# Altium PCB Control Panel PCB v2.PcbDoc (part 1 of 3)
Units mm, origin at the board's own origin, x right, y up, seen from the top; angles counter-clockwise.
Board outline 270.04 x 103.81 mm, 2 copper layers (Top Layer, Bottom Layer); 322 components, 214 nets, 925 pads, 431 vias.
Unrouted connection lines stored in the file: 76.
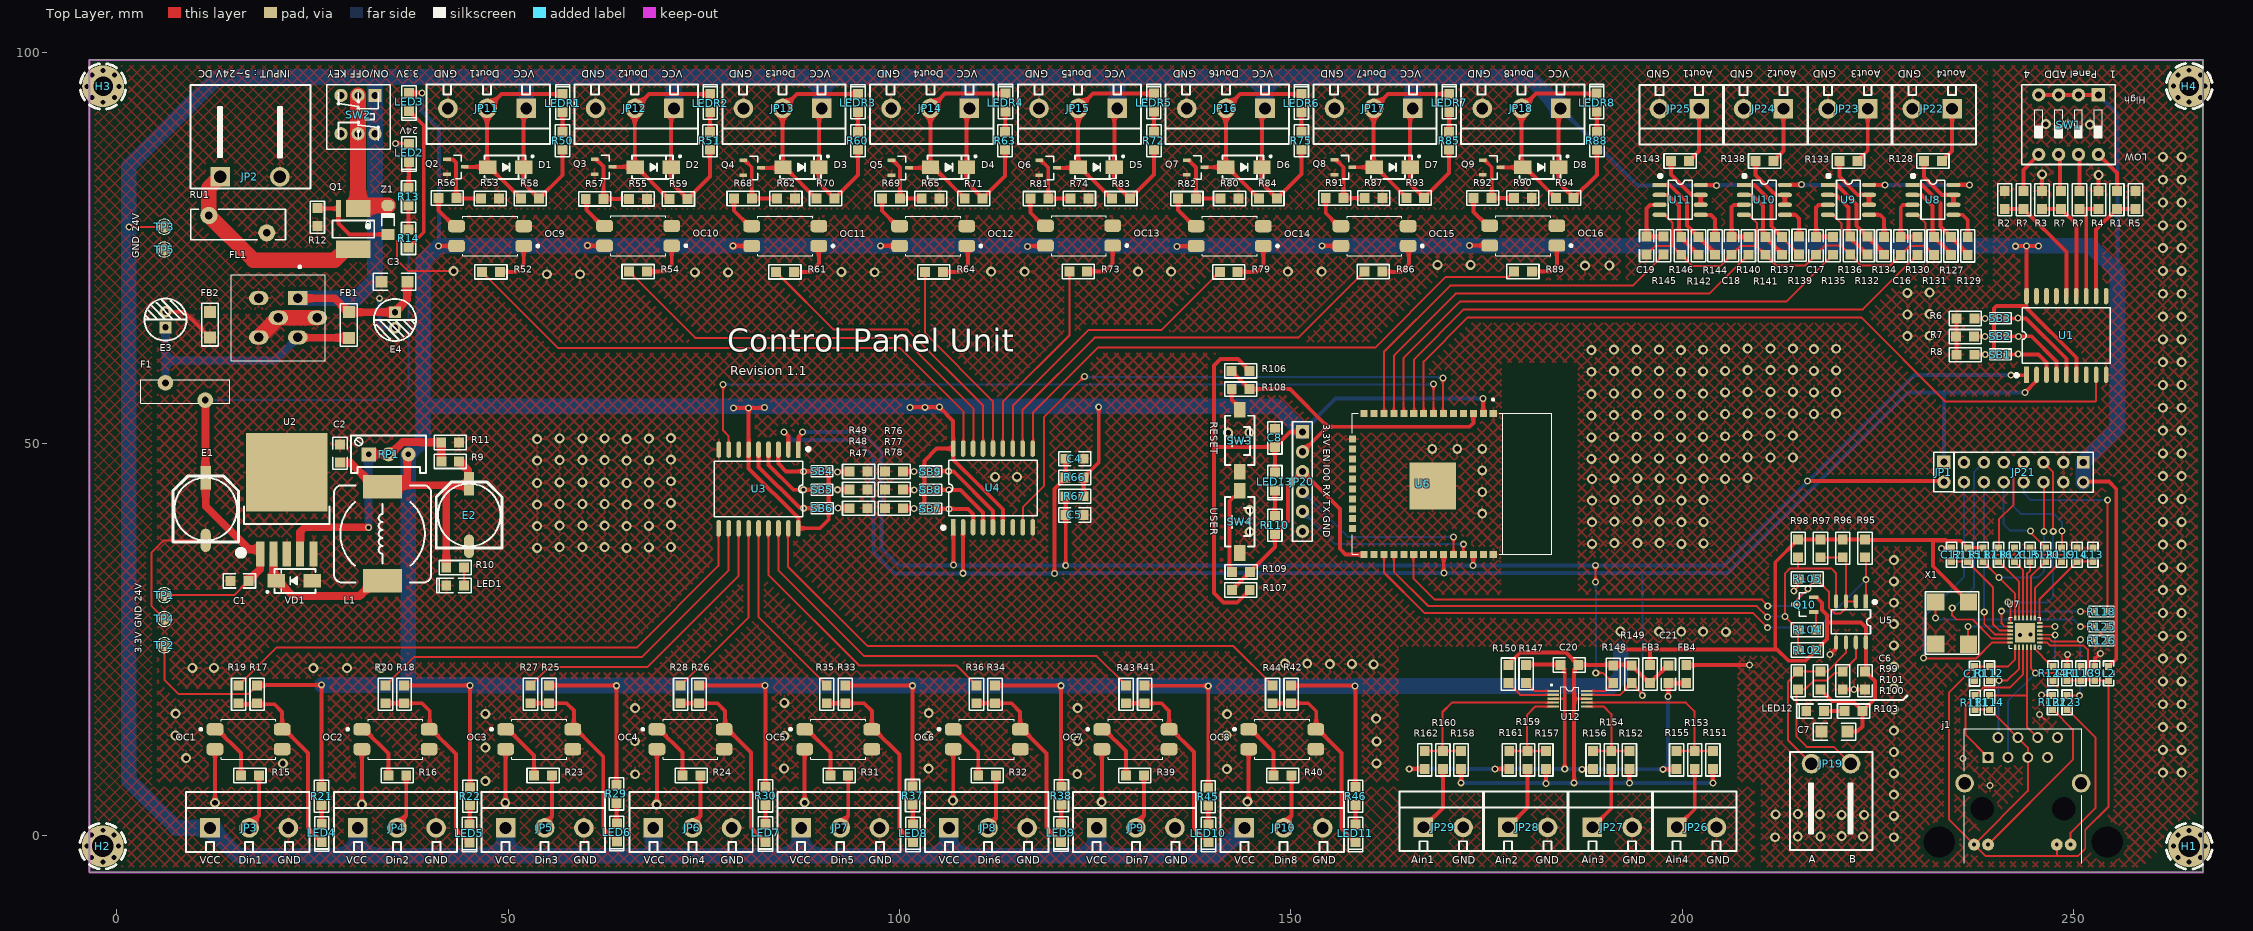
[diagram p0: Top Layer view]
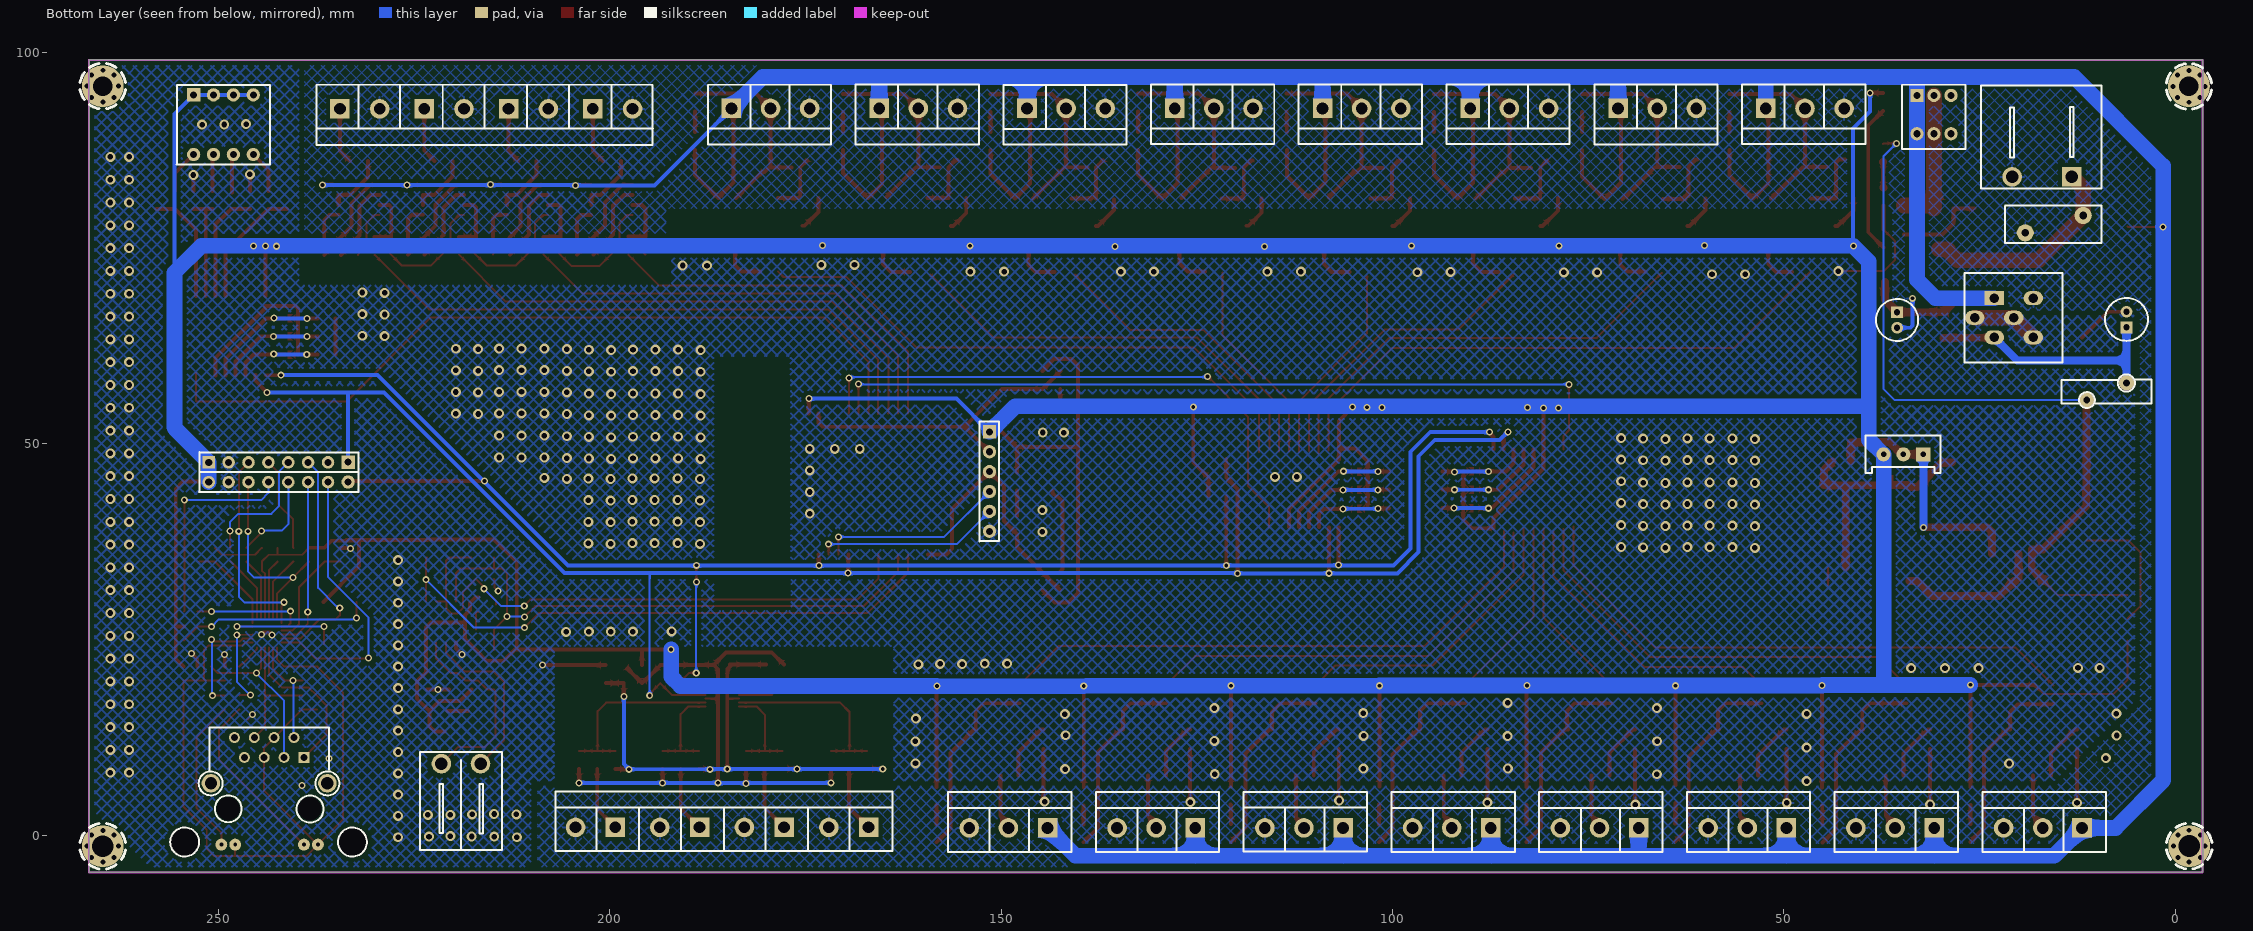
[diagram p1: Bottom Layer view, seen from below]

## Layer stack, top to bottom
Top Solder: solder mask 0.0102, Solder Resist, Dk 3.5
Top Layer: signal copper 0.0356
Dielectric 1: dielectric 0.32, FR-4, Dk 4.8
Bottom Layer: signal copper 0.0356
Bottom Solder: solder mask 0.0102, Solder Resist, Dk 3.5

## Board outline
-3.515,-4.776 -3.515,99.034 -3.505,99.035 266.522,99.035 266.522,-4.775

## Design rules (kind name [scope] priority, off if disabled: settings)
Clearance OUT_POLY [InNamedPolygon('GND_BOTTOM') OR InNamedPolygon('GND_TOP')] p1: gap=0.5 ignorepadtopadclearanceinfootprint=FALSE
Clearance Logic_POLY [InNamedPolygon('GND_F_BOTTOM') OR InNamedPolygon('GND_F_TOP')] p2: gap=0.5 ignorepadtopadclearanceinfootprint=FALSE
Clearance [All] p3: gap=0.178 ignorepadtopadclearanceinfootprint=FALSE
ComponentClearance "Schematic Component Clearance Constraint_7" [InComponent('TP5')] p1: gap=0 collisioncheckmode=3 verticalgap=0 showdistances=FALSE
ComponentClearance "Schematic Component Clearance Constraint_6" [InComponent('TP3')] p2: gap=0 collisioncheckmode=3 verticalgap=0 showdistances=FALSE
ComponentClearance "Schematic Component Clearance Constraint_5" [InComponent('TP4')] p3: gap=0 collisioncheckmode=3 verticalgap=0 showdistances=FALSE
ComponentClearance "Schematic Component Clearance Constraint_4" [InComponent('TP2')] p4: gap=0 collisioncheckmode=3 verticalgap=0 showdistances=FALSE
ComponentClearance "Schematic Component Clearance Constraint_3" [InComponent('TP1')] p5: gap=0 collisioncheckmode=3 verticalgap=0 showdistances=FALSE
ComponentClearance [All] p6: gap=0 collisioncheckmode=3 verticalgap=0 showdistances=FALSE
HoleSize [All] p1: absolutevalues=TRUE maxlimit=4 minlimit=0.025 maxpercent=80.000 minpercent=20.000
PolygonConnect PolygonConnect_1 [All vs IsNamedPolygon('GND_F_BOTTOM')] p1: connectstyle=Direct reliefconductorwidth=0.254 reliefentries=4 polygonreliefangle="90 Angle" airgapwidth=0.254
PolygonConnect [All] p2: connectstyle=Relief reliefconductorwidth=0.254 reliefentries=4 polygonreliefangle="90 Angle" airgapwidth=0.254
RoutingVias [All] p1: holewidth=0.5 width=0.9 viastyle="Through Hole" minholewidth=0.5 minwidth=0.9 maxholewidth=1 maxwidth=1.5
SolderMaskExpansion [All] p1: expansion=0.102 istentingtop=FALSE
Width [All] p1: maxlimit=2 minlimit=0.254 preferedwidth=0.5
28 further rules are at their usual default settings.

## Classes and differential pairs
component class U_LAN: C9 C10 C11 C12 C13 C14 C15 j1 JP21 L2 R111 R112 R113 R114 R115 R116 R117 R118 R119 R120 R121 R122 R123 R124 R125 R126 U7 X1
component class "U_Analog Output": C16 C17 C18 C19 JP22 JP23 JP24 JP25 R127 R128 R129 R130 R131 R132 R133 R134 R135 R136 R137 R138 R139 R140 R141 R142 R143 R144 R145 R146 U8 U9 U10 U11
component class "U_Analog Input": C20 C21 FB3 FB4 JP26 JP27 JP28 JP29 R147 R148 R149 R150 R151 R152 R153 R154 R155 R156 R157 R158 R159 R160 R161 R162 U12
component class U_RS485: C6 C7 JP19 LED12 Q10 R95 R96 R97 R98 R99 R100 R101 R102 R103 R104 R105 U5
component class U_ESP32: C8 JP20 LED13 R106 R107 R108 R109 R110 SW3 SW4 U6
component class "U_Power Regulator": C1 C2 C3 E1 E2 E3 E4 F1 FB1 FB2 FL1 JP2 L1 LED1 LED2 LED3 Q1 R9 R10 R11 R12 R13 R14 RP1 RU1 SW2 TP1 TP2 TP3 TP4 TP5 U2 VD1 Z1
component class "U_Digital Output": C4 C5 D1 D2 D3 D4 D5 D6 D7 D8 JP11 JP12 JP13 JP14 JP15 JP16 JP17 JP18 LEDR1 LEDR2 LEDR3 LEDR4 LEDR5 LEDR6 LEDR7 LEDR8 OC9 OC10 OC11 OC12 OC13 OC14 OC15 OC16 Q2 Q3 Q4 Q5 Q6 Q7 Q8 Q9 R50 R51 R52 R53 R54 R55 R56 R57 R58 R59 R60 R61 R62 R63 R64 R65 R66 R67 R68 R69 R70 R71 R72 R73 R74 R75 R76 R77 R78 R79 R80 R81 R82 R83 R84 R85 R86 R87 R88 R89 R90 R91 R92 R93 R94 SB7 SB8 SB9 U4
component class "U_Digital Input": JP3 JP4 JP5 JP6 JP7 JP8 JP9 JP10 LED4 LED5 LED6 LED7 LED8 LED9 LED10 LED11 OC1 OC2 OC3 OC4 OC5 OC6 OC7 OC8 R15 R16 R17 R18 R19 R20 R21 R22 R23 R24 R25 R26 R27 R28 R29 R30 R31 R32 R33 R34 R35 R36 R37 R38 R39 R40 R41 R42 R43 R44 R45 R46 R47 R48 R49 SB4 SB5 SB6 U3
component class Main: H1 H2 H3 H4 JP1 R1 R2 R3 R4 R5 R6 R7 R8 SB1 SB2 SB3 SW1 U1

## Components (designator, comment, footprint, x,y, rotation, side; value= is the part's Value field where it differs from the comment)
C1 "1uF" "C 0805" 15.679,32.478 r0 top
C2 "1uF" "C 0805" 28.506,48.765 r270 top
C3 "100n" "C 1206" 35.484,70.688 r0 top
C4 "22uF" "C 0805" 122.377,48.082 r180 top
C5 "22uF" "C 0805" 122.377,40.894 r180 top
C6 "0.1uF" "C 0805" 223.35,19.736 r270 top
C7 "10uF" "C 1206" 219.456,13.208 r180 top
C8 "22uF" "C 0805" 147.949,50.731 r90 top
C9 "1uF" "C 0603" 252.698,20.663 r90 top
C10 "10uF" "C 0603" 237.363,20.625 r270 top
C11 "0.02uF" "C 0603" 249.142,20.663 r90 top
C12 "470pF" "C 0603" 234.417,35.814 r270 top
C13 "470pF" "C 0603" 252.451,35.814 r270 top
C14 "105" "C 0603" 250.447,35.814 r270 top
C15 "470pF" "C 0603" 244.435,35.839 r90 top
C16 "10uF/25V" "C 0805" 227.914,75.26 r270 top
C17 "10uF/25V" "C 0805" 217.094,75.286 r270 top
C18 "10uF/25V" "C 0805" 206.299,75.286 r270 top
C19 "10uF/25V" "C 0805" 195.453,75.311 r270 top
C20 "1uF" "C 0805" 185.572,21.742 r0 top
C21 "1uF" "C 0805" 198.222,20.549 r90 top
D1 "SS34" SMA 49.682,85.319 r0 top
D2 "SS34" SMA 68.529,85.319 r0 top
D3 "SS34" SMA 87.427,85.319 r0 top
D4 "SS34" SMA 106.274,85.319 r0 top
D5 "SS34" SMA 125.146,85.319 r0 top
D6 "SS34" SMA 143.993,85.319 r0 top
D7 "SS34" SMA 162.941,85.319 r0 top
D8 "SS34" SMA 181.915,85.319 r0 top
E1 "100uF/50V" "CM E(8*10.2)" 11.361,41.653 r90 top
E2 "220uF/35V" "CM E(8*10.2)" 45.016,40.891 r90 top
E3 "10uF" "CAP 2.0*5*11 - GD" 6.223,65.862 r90 top
E4 "22uF" "CAP 2.0*5*11 - GD" 35.535,65.811 r270 top
F1 "PTC" PTC 8.763,56.675 r180 top
FB1 "?!" "F 1206" 29.642,65.176 r90 top
FB2 "?!" "F 1206" 11.913,65.202 r90 top
FB3 "Value" "F 0805" 195.885,20.574 r270 top
FB4 "Value" "F 0805" 200.508,20.574 r270 top
FL1 "BNX002-01" FIL_BNX002-01 20.625,66.091 r0 top
H1 "Round Pad" P2.8CH#1 264.77,-1.422 r0 top
H2 "Round Pad" P2.8CH#1 -1.788,-1.416 r0 top
H3 "Round Pad" P2.8CH#2 -1.753,95.656 r0 top
H4 "Round Pad" P2.8CH#2 264.77,95.682 r0 top
j1 "RJ45-F" rj45-f 243.51,4.623 r0 top
JP1 "HDR-1X2" HDR-1X2_M 233.426,47.65 r270 top
JP2 "HDR-1X2" KF2EDGK-2P_H_7.62 13.203,84.099 r0 top
JP3 "HDR-1X3" KF301-3P 11.913,0.914 r0 top
JP4 "HDR-1X3" KF301-3P 30.792,0.914 r0 top
JP5 "HDR-1X3" KF301-3P 49.672,0.914 r0 top
JP6 "HDR-1X3" KF301-3P 68.551,0.914 r0 top
JP7 "HDR-1X3" KF301-3P 87.43,0.914 r0 top
JP8 "HDR-1X3" KF301-3P 106.31,0.914 r0 top
JP9 "HDR-1X3" KF301-3P 125.189,0.914 r0 top
JP10 "HDR-1X3" KF301-3P 144.069,0.914 r0 top
JP11 "HDR-1X3" KF301-3P 52.299,92.837 r180 top
JP12 "HDR-1X3" KF301-3P 71.178,92.837 r180 top
JP13 "HDR-1X3" KF301-3P 90.058,92.837 r180 top
JP14 "HDR-1X3" KF301-3P 108.937,92.837 r180 top
JP15 "HDR-1X3" KF301-3P 127.816,92.837 r180 top
JP16 "HDR-1X3" KF301-3P 146.696,92.837 r180 top
JP17 "HDR-1X3" KF301-3P 165.575,92.837 r180 top
JP18 "HDR-1X3" KF301-3P 184.455,92.837 r180 top
JP19 "HDR-1X2" KF2EDGK-2P_H_5.08 221.51,9.119 r180 top
JP20 "HDR-1X6" HDR-1X6 151.48,51.513 r270 top
JP21 "Header 2X7" HDR-7X2 251.231,47.625 r180 top
JP22 "HDR-1X2" KF301-2P 234.467,92.786 r180 top
JP23 "HDR-1X2" KF301-2P 223.698,92.786 r180 top
JP24 "HDR-1X2" KF301-2P 212.928,92.786 r180 top
JP25 "HDR-1X2" KF301-2P 202.159,92.786 r180 top
JP26 "HDR-1X2" KF301-2P 199.288,0.991 r0 top
JP27 "HDR-1X2" KF301-2P 188.527,0.991 r0 top
JP28 "HDR-1X2" KF301-2P 177.724,0.991 r0 top
JP29 "HDR-1X2" KF301-2P 166.929,0.991 r0 top
L1 "470uH" CDRH127 33.967,38.478 r90 top
L2 "?uH" "L 0603" 254.476,20.663 r90 top
LED1 "LED-SMD" "LED 0805R" 43.238,31.874 r180 top
LED2 "LED-SMD" "LED 0805R" 37.338,87.147 r270 top
LED3 "LED-SMD" "LED 0805R" 37.338,93.675 r270 top
LED4 "LED-SMD" "LED 0805B" 26.187,0.279 r270 top
LED5 "LED-SMD" "LED 0805B" 45.06,0.203 r270 top
LED6 "LED-SMD" "LED 0805B" 63.881,0.33 r270 top
LED7 "LED-SMD" "LED 0805B" 82.88,0.279 r270 top
LED8 "LED-SMD" "LED 0805B" 101.727,0.229 r270 top
LED9 "LED-SMD" "LED 0805B" 120.625,0.279 r270 top
LED10 "LED-SMD" "LED 0805B" 139.471,0.229 r270 top
LED11 "LED-SMD" "LED 0805B" 158.242,0.229 r270 top
LED12 "LED-SMD" "LED 0805R" 216.985,15.836 r180 top
LED13 "LED-SMD" "LED 0805B" 147.949,45.155 r270 top
LEDR1 "LED-SMD" "LED 0805R" 56.972,93.523 r90 top
LEDR2 "LED-SMD" "LED 0805R" 75.819,93.523 r90 top
LEDR3 "LED-SMD" "LED 0805R" 94.691,93.548 r90 top
LEDR4 "LED-SMD" "LED 0805R" 113.538,93.574 r90 top
LEDR5 "LED-SMD" "LED 0805R" 132.486,93.574 r90 top
LEDR6 "LED-SMD" "LED 0805R" 151.333,93.523 r90 top
LEDR7 "LED-SMD" "LED 0805R" 170.231,93.548 r90 top
LEDR8 "LED-SMD" "LED 0805R" 189.078,93.574 r90 top
OC1 "817" PC817-SMD 16.84,12.243 r0 top
OC2 "817" PC817-SMD 35.611,12.243 r0 top
OC3 "817" PC817-SMD 53.975,12.243 r0 top
OC4 "817" PC817-SMD 73.304,12.243 r0 top
OC5 "817" PC817-SMD 92.177,12.243 r0 top
OC6 "817" PC817-SMD 111.153,12.243 r0 top
OC7 "817" PC817-SMD 130.15,12.243 r0 top
OC8 "817" PC817-SMD 148.895,12.243 r0 top
OC9 "817" PC817-SMD 47.701,76.53 r180 top
OC10 "817" PC817-SMD 66.607,76.556 r180 top
OC11 "817" PC817-SMD 85.4,76.53 r180 top
OC12 "817" PC817-SMD 104.298,76.53 r180 top
OC13 "817" PC817-SMD 122.941,76.581 r180 top
OC14 "817" PC817-SMD 142.194,76.53 r180 top
OC15 "817" PC817-SMD 160.683,76.53 r180 top
OC16 "817" PC817-SMD 179.685,76.581 r180 top
Q1 "FDS4435BZ" SOP8-E3 30.226,77.445 r180 top
Q2 "2N7002-K" SOT23-3L 43.332,85.369 r270 top
Q3 "2N7002-K" SOT23-3L 62.205,85.369 r270 top
Q4 "2N7002-K" SOT23-3L 81.178,85.242 r270 top
Q5 "2N7002-K" SOT23-3L 100.101,85.242 r270 top
Q6 "2N7002-K" SOT23-3L 118.992,85.242 r270 top
Q7 "2N7002-K" SOT23-3L 137.846,85.293 r270 top
Q8 "2N7002-K" SOT23-3L 156.718,85.319 r270 top
Q9 "2N7002-K" SOT23-3L 175.666,85.293 r270 top
Q10 "SS8550" SOT23-3N 215.65,29.436 r90 top
R1 "1K" "R 0805" 255.524,81.153 r270 top
R2 "10K" "R 0805" 241.198,81.153 r270 top
R3 "10K" "R 0805" 245.974,81.153 r270 top
R4 "10K" "R 0805" 253.187,81.153 r270 top
R5 "10K" "R 0805" 257.912,81.153 r90 top
R6 "10K" "R 0805" 236.169,65.989 r0 top
R7 "10K" "R 0805" 236.144,63.678 r0 top
R8 "10K" "R 0805" 236.169,61.366 r180 top
R9 "Value" "R 0805" 42.603,47.749 r0 top
R10 "1K" "R 0805" 43.238,34.16 r180 top
R11 "1K" "R 0805" 42.596,50.165 r180 top
R12 "1K" "R 0805" 25.629,78.943 r90 top
R13 "10K" "R 0805" 37.287,81.559 r270 top
R14 "1K" "R 0805" 37.287,76.225 r90 top
R15 "10k" "R 0805" 17.018,7.62 r0 top
R16 "10k" "R 0805" 35.839,7.62 r0 top
R17 "10K" "R 0805" 17.932,17.983 r270 top
R18 "10K" "R 0805" 36.703,17.983 r270 top
R19 "1k" "R 0805" 15.57,17.983 r270 top
R20 "1k" "R 0805" 34.341,17.983 r270 top
R21 "1k" "R 0805" 26.162,4.978 r270 top
R22 "1k" "R 0805" 45.136,4.953 r270 top
R23 "10k" "R 0805" 54.458,7.62 r0 top
R24 "10k" "R 0805" 73.406,7.62 r0 top
R25 "10K" "R 0805" 55.22,17.983 r270 top
R26 "10K" "R 0805" 74.397,17.983 r270 top
R27 "1k" "R 0805" 52.857,17.983 r270 top
R28 "1k" "R 0805" 72.034,17.983 r270 top
R29 "1k" "R 0805" 63.83,5.258 r270 top
R30 "1k" "R 0805" 82.88,5.004 r270 top
R31 "10k" "R 0805" 92.304,7.62 r0 top
R32 "10k" "R 0805" 111.201,7.62 r0 top
R33 "10K" "R 0805" 93.066,17.983 r270 top
R34 "10K" "R 0805" 112.192,17.983 r270 top
R35 "1k" "R 0805" 90.703,17.983 r270 top
R36 "1k" "R 0805" 109.83,17.983 r270 top
R37 "1k" "R 0805" 101.676,5.055 r270 top
R38 "1k" "R 0805" 120.675,5.029 r270 top
R39 "10k" "R 0805" 130.073,7.62 r0 top
R40 "10k" "R 0805" 148.946,7.62 r0 top
R41 "10K" "R 0805" 131.318,17.983 r270 top
R42 "10K" "R 0805" 150.038,17.983 r270 top
R43 "1k" "R 0805" 128.956,17.983 r270 top
R44 "1k" "R 0805" 147.676,17.983 r270 top
R45 "1k" "R 0805" 139.446,4.902 r270 top
R46 "1k" "R 0805" 158.267,4.978 r270 top
R47 "10K" "R 0805" 94.767,41.758 r180 top
R48 "10K" "R 0805" 94.767,44.145 r180 top
R49 "10K" "R 0805" 94.767,46.457 r0 top
R50 "10k" "R 0805" 56.947,88.697 r270 top
R51 "10k" "R 0805" 75.768,88.697 r270 top
R52 "1k" "R 0805" 47.803,71.958 r180 top
R53 "10k" "R 0805" 47.701,81.331 r180 top
R54 "1k" "R 0805" 66.599,71.984 r180 top
R55 "10k" "R 0805" 66.599,81.28 r180 top
R56 "2.2K" "R 0805" 42.24,81.382 r180 top
R57 "2.2K" "R 0805" 61.062,81.28 r180 top
R58 "10k" "R 0805" 52.807,81.305 r180 top
R59 "10k" "R 0805" 71.755,81.28 r180 top
R60 "10k" "R 0805" 94.691,88.697 r270 top
R61 "1k" "R 0805" 85.369,71.958 r180 top
R62 "10k" "R 0805" 85.496,81.331 r180 top
R63 "10k" "R 0805" 113.487,88.697 r270 top
R64 "1k" "R 0805" 104.394,71.958 r180 top
R65 "10k" "R 0805" 103.988,81.331 r180 top
R66 "10K" "R 0805" 122.377,45.686 r180 top
R67 "10K" "R 0805" 122.377,43.29 r180 top
R68 "2.2K" "R 0805" 80.01,81.331 r180 top
R69 "2.2K" "R 0805" 98.908,81.331 r180 top
R70 "10k" "R 0805" 90.551,81.331 r180 top
R71 "10k" "R 0805" 109.474,81.331 r180 top
R72 "10k" "R 0805" 132.512,88.697 r270 top
R73 "1k" "R 0805" 122.834,72.009 r180 top
R74 "10k" "R 0805" 122.987,81.331 r180 top
R75 "10k" "R 0805" 151.333,88.697 r270 top
R76 "10K" "R 0805" 99.314,46.457 r0 top
R77 "10K" "R 0805" 99.314,44.145 r0 top
R78 "10K" "R 0805" 99.314,41.758 r180 top
R79 "1k" "R 0805" 142.062,71.958 r180 top
R80 "10k" "R 0805" 142.164,81.331 r180 top
R81 "2.2K" "R 0805" 117.856,81.305 r180 top
R82 "2.2K" "R 0805" 136.728,81.305 r180 top
R83 "10k" "R 0805" 128.295,81.305 r180 top
R84 "10k" "R 0805" 147.066,81.331 r180 top
R85 "10k" "R 0805" 170.205,88.697 r270 top
R86 "1k" "R 0805" 160.528,71.984 r180 top
R87 "10k" "R 0805" 160.579,81.382 r180 top
R88 "10k" "R 0805" 189.103,88.697 r270 top
R89 "10k" "R 0805" 179.654,72.009 r180 top
R90 "10k" "R 0805" 179.629,81.382 r180 top
R91 "2.2K" "R 0805" 155.6,81.382 r180 top
R92 "2.2K" "R 0805" 174.498,81.382 r180 top
R93 "10k" "R 0805" 165.887,81.407 r180 top
R94 "10k" "R 0805" 184.988,81.382 r180 top
R95 "10K" "R 0805" 223.35,36.636 r90 top
R96 "10K" "R 0805" 220.505,36.636 r90 top
R97 "10K" "R 0805" 217.659,36.636 r90 top
R98 "10K" "R 0805" 214.814,36.636 r90 top
R99 "120" "R 0805" 220.505,19.736 r90 top
R100 "10K" "R 0805" 214.814,19.736 r90 top
R101 "120" "R 0805" 217.66,19.736 r270 top
R102 "220K" "R 0805" 215.95,23.636 r180 top
R103 "1K" "R 0805" 221.885,15.836 r180 top
R104 "7.5K" "R 0805" 215.95,26.236 r0 top
R105 "20K" "R 0805" 215.95,32.736 r0 top
R106 "10K" "R 0805" 143.581,59.311 r0 top
R107 "10K" "R 0805" 143.606,31.32 r0 top
R108 "1K" "R 0805" 143.588,56.975 r0 top
R109 "1K" "R 0805" 143.631,33.631 r0 top
R110 "1K" "R 0805" 147.949,39.594 r270 top
R111 "49.9" "R 0603" 237.388,16.942 r90 top
R112 "49.9" "R 0603" 239.236,20.663 r90 top
R113 "49.9" "R 0603" 250.92,20.663 r90 top
R114 "49.9" "R 0603" 239.262,16.929 r270 top
R115 "10" "R 0603" 236.42,35.814 r270 top
R116 "1K" "R 0603" 240.428,35.814 r270 top
R117 "1.5K" "R 0603" 238.424,35.814 r270 top
R118 "1K" "R 0603" 253.543,28.55 r0 top
R119 "10" "R 0603" 248.443,35.814 r270 top
R120 "10" "R 0603" 246.439,35.814 r270 top
R121 "1K" "R 0603" 242.432,35.814 r270 top
R122 "1K" "R 0603" 247.32,16.929 r270 top
R123 "1K" "R 0603" 249.174,16.929 r270 top
R124 "10" "R 0603" 247.364,20.637 r270 top
R125 "10" "R 0603" 253.517,26.645 r180 top
R126 "10" "R 0603" 253.517,24.841 r180 top
R127 "10K" "R 0805" 234.315,75.26 r90 top
R128 "1K" "R 0805" 232.029,86.106 r0 top
R129 "1K" "R 0805" 236.474,75.26 r90 top
R130 "5.1K" "R 0805" 230.048,75.26 r90 top
R131 "5.1K" "R 0805" 232.181,75.26 r270 top
R132 "10K" "R 0805" 223.647,75.311 r90 top
R133 "1K" "R 0805" 221.234,86.106 r0 top
R134 "1K" "R 0805" 225.755,75.286 r90 top
R135 "5.1K" "R 0805" 219.253,75.286 r90 top
R136 "5.1K" "R 0805" 221.463,75.311 r270 top
R137 "10K" "R 0805" 212.738,75.286 r90 top
R138 "1K" "R 0805" 210.515,86.106 r0 top
R139 "1K" "R 0805" 214.935,75.336 r90 top
R140 "5.1K" "R 0805" 208.445,75.286 r90 top
R141 "5.1K" "R 0805" 210.617,75.286 r270 top
R142 "10K" "R 0805" 202.082,75.286 r90 top
R143 "1K" "R 0805" 199.72,86.106 r0 top
R144 "1K" "R 0805" 204.191,75.286 r90 top
R145 "5.1K" "R 0805" 197.618,75.311 r90 top
R146 "5.1K" "R 0805" 199.873,75.286 r270 top
R147 "10K" "R 0805" 180.061,20.599 r270 top
R148 "10K" "R 0805" 191.186,20.549 r90 top
R149 "10K" "R 0805" 193.548,20.549 r90 top
R150 "10K" "R 0805" 177.775,20.574 r90 top
R151 "10K" "R 0805" 203.911,9.601 r270 top
R152 "10K" "R 0805" 193.243,9.601 r270 top
R153 "10K" "R 0805" 201.6,9.601 r270 top
R154 "10K" "R 0805" 190.932,9.601 r270 top
R155 "3.3K" "R 0805" 199.288,9.601 r270 top
R156 "3.3K" "R 0805" 188.62,9.601 r270 top
R157 "10K" "R 0805" 182.575,9.601 r270 top
R158 "10K" "R 0805" 171.729,9.601 r270 top
R159 "10K" "R 0805" 180.238,9.601 r270 top
R160 "10K" "R 0805" 169.418,9.601 r270 top
R161 "3.3K" "R 0805" 177.902,9.601 r270 top
R162 "3.3K" "R 0805" 167.107,9.601 r270 top
R? "1K" "R 0805" 250.749,81.153 r270 top
R? "1K" "R 0805" 248.361,81.153 r270 top
R? "1K" "R 0805" 243.586,81.153 r270 top
RP1 "10K" 3296W 34.729,48.638 r0 top
RU1 "*" "Varistor Short Hieght - Straight" 19.46,78.046 r180 top
SB1 "Solder Bridge" "Solder Bridge Open" 240.847,63.678 r0 top
SB2 "Solder Bridge" "Solder Bridge Open" 240.847,66.015 r0 top
SB3 "Solder Bridge" "Solder Bridge Open" 240.847,68.301 r0 top
SB4 "Solder Bridge" "Solder Bridge Open" 89.894,44.208 r180 top
SB5 "Solder Bridge" "Solder Bridge Open" 89.894,41.86 r180 top
SB6 "Solder Bridge" "Solder Bridge Open" 89.945,39.472 r180 top
SB7 "Solder Bridge" "Solder Bridge Open" 104.191,43.993 r0 top
SB8 "Solder Bridge" "Solder Bridge Open" 104.191,46.38 r0 top
SB9 "Solder Bridge" "Solder Bridge Open" 104.191,48.728 r0 top
SW1 "CSW-4P" "CSW DIP-4P_G" 249.352,90.754 r180 top
SW2 "KET 8X8" "KFT DIP-8X8" 30.867,91.799 r270 top
SW3 "3x6x5" "TSW SMD-3*6*2.5" 143.481,50.361 r270 top
SW4 "3x6x5" "TSW SMD-3*6*2.5" 143.481,39.981 r270 top
TP1 "Test Point Pad" TP15 6.071,30.658 r90 top
TP2 "Test Point Pad" TP15 6.071,24.257 r90 top
TP3 "Test Point Pad" TP15 6.071,77.724 r90 top
TP4 "Test Point Pad" TP15 6.096,27.61 r90 top
TP5 "Test Point Pad" TP15 6.071,74.803 r90 top
U1 "MCP23008" SOP18W_M 249.072,63.83 r90 top
U2 "LM2596-ADJ" TO263-5A 21.726,35.938 r0 top
U3 "MCP23008" SOP18W_M 81.991,44.221 r270 top
U4 "MCP23008" SOP18W_M 111.938,44.348 r90 top
U5 "MAX485" SOP8_N 221.55,27.236 r270 top
U6 "ESP32S" ESP32S 157.823,76.178 r270 top
U7 "LAN8720" LAN8720 243.815,25.908 r180 top
U8 "LM358" SOP8_N 232.029,81.153 r0 top
U9 "LM358" SOP8_N 221.234,81.153 r0 top
U10 "LM358" SOP8_N 210.49,81.153 r0 top
U11 "LM358" SOP8_N 199.737,81.153 r0 top
U12 "ADS1115" VSSOP10-N 185.649,17.424 r0 top
VD1 "SS34" SMA 22.664,32.478 r180 top
X1 "26M" XTAL-5070-4 236.576,29.794 r270 top
Z1 "1N4106" DO-213AA 34.646,78.588 r90 top

## Footprints (in the part's own frame and the unit in brackets; to place one, negate y for a bottom-side part, rotate by r counter-clockwise, add the part's x,y. Pads: shape width x height; smd on the part's side, far side on the other; paste and mask are expansions set on the pad)
3296W [mm] "Precise Multi-Winding Adjustable Resistor"
  rect 1.8x1.8 hole 0.7: 1(-2.54,0)
  round 1.8 hole 0.7: 2(2.54,0) ADJ(0,0)
  silkscreen extent -4.8,-2.4 4.8,2.4, body extent -4.75,-2.4 4.75,2.4, height 11.52
"C 0603" [mil] "ï؟½ق¼ï؟½ï؟½ï؟½ï؟½ï؟½ئ¬ï؟½ï؟½ï؟½ï؟½"
  rect 35x35 smd: 1(-35,0) 2(34,0)
  silkscreen extent -63,-26 62,26, body extent -31,-16 31,16, height 32
"C 0805" [mil] "ï؟½ق¼ï؟½ï؟½ï؟½ï؟½ï؟½ئ¬ï؟½ï؟½ï؟½ï؟½"
  rect 50x50 smd: 1(-45,0) 2(45,0)
  silkscreen extent -81,-36 81,36, body extent -39,-24 39,24, height 20
"C 1206" [mil] "ï؟½ق¼ï؟½ï؟½ï؟½ï؟½ï؟½ئ¬ï؟½ï؟½ï؟½ï؟½"
  rect 60x60 smd: 1(-65,0) 2(65,0)
  silkscreen extent -107,-42 107,42, body extent -63,-32 63,32, height 48
"CAP 2.0*5*11 - GD" [mm] "ï؟½إ¾ï؟½2mmض±ï؟½ï؟½5mmï؟½ك¶ï؟½11mm"
  rect 1.5x1.5 hole 0.8: 1(-1,0)
  round 1.5 hole 0.8: 2(1,0)
  silkscreen extent -2.7,-2.7 2.7,2.7, body extent -2.5,-2.5 2.51,2.5, height 11.04
CDRH127 [mm] "12*12*8mmï؟½ï؟½ï؟½ï؟½ï؟½ï؟½ك£ï؟½"
  rect 3x5 smd: 1(-6,0) 2(6,0)
  silkscreen extent -6.2,-6.2 6.2,6.2, body extent -6,-6 6,6, height 7.8
"CM E(8*10.2)" [mm] "ï؟½ï؟½ئ¬ï؟½ï؟½ï؟½ï؟½ï؟½ف£ï؟½ض±ï؟½ï؟½8mmï؟½ï؟½"
  rect 3x1.3 smd: 1(4,0)
  oval 3x1.3 smd: 2(-4,0)
  silkscreen extent -4.2,-4.2 4.2,4.2, body extent -4.5,-4.15 4.5,4.15, height 10.2
"CSW DIP-4P_G" [mm] "11.7*9.9*7mm"
  rect 1.7x1.7 hole 0.9: 1(-3.81,-3.81)
  round 1.7 hole 0.9: 2(-1.27,-3.81) 3(1.27,-3.81) 4(3.81,-3.81) 5(3.81,3.81) 6(1.27,3.81) 7(-1.27,3.81) 8(-3.81,3.81)
  silkscreen extent -5.97,-5.08 5.97,5.08, body extent -5.86,-4.95 5.86,4.95, height 6.65
DO-213AA [mm] "1.5*3.5mm(ض±¾¶£¬½إ¾à£©"
  rect 1.37x1.62 smd: 1(-1.855,0)
  oct 1.37x1.62 smd: 2(1.855,0)
  silkscreen extent -0.76,-0.8 0.78,0.8, body extent -1.75,-0.75 1.75,0.75, height 1.53
ESP32S [mm] "ESP32S-Module"
  rect 0.9x0.9 smd: 1(22.301,18.034) 2(22.301,16.764) 3(22.301,15.494) 4(22.301,14.224) 5(22.301,12.954) 6(22.301,11.684) 7(22.301,10.414) 8(22.301,9.144) 9(22.301,7.874) 10(22.301,6.604) 11(22.301,5.334) 12(22.301,4.064) 13(22.301,2.794) 14(22.301,1.524) 15(25.601,0.034) 16(26.871,0.034) 17(28.141,0.034) 18(29.411,0.034) 19(30.681,0.034) 20(31.951,0.034) 21(33.221,0.034) 22(34.491,0.034) 23(35.761,0.034) 24(37.031,0.034) 25(40.335,1.524) 26(40.335,2.794) 27(40.335,4.064) 28(40.335,5.334) 29(40.335,6.604) 30(40.335,7.874) 31(40.335,9.144) 32(40.335,10.414) 33(40.335,11.684) 34(40.335,12.954) 35(40.335,14.224) 36(40.335,15.494) 37(40.335,16.764) 38(40.335,18.034)
  rect 6x6 smd: 39(31.601,10.3)
  silkscreen extent 20.44,0.03 40.32,25.53, body extent 22.31,0.02 40.31,25.52, height 2.84
"F 0805" [mm]
  rect 1.27x1.27 smd: 1(-1.143,0) 2(1.143,0)
  silkscreen extent -2.05,-0.91 2.05,0.91, body extent -1,-0.62 1,0.63, height 0.5
"F 1206" [mil]
  rect 60x60 smd: 1(-65,0) 2(65,0)
  silkscreen extent -107,-42 107,42, body extent -63,-31 63,32, height 22
FIL_BNX002-01 [mm]
  rect 2.5x1.8 hole 1.2: 1(2.5,2.5)
  oval 2.5x1.8 hole 1.2: 2(2.5,-2.5) 3(-2.5,2.5) 4(5,0) 5(-2.5,-2.5) 6(0,0)
  silkscreen extent -6,-5.5 6,6.65, body extent -6,-5.5 6,5.5, height 8.6
HDR-1X2_M [mm] "ï؟½ï؟½ؤ¸ï؟½ï؟½2ï؟½ï؟½"
  rect 1.7x1.7 hole 0.9: 1(0,0)
  round 1.7 hole 0.9: 2(2.54,0)
  silkscreen extent -1.27,-1.27 3.81,1.27, body extent -1.27,-1.27 3.81,1.27, height 8.5
HDR-1X6 [mm] "ï؟½ï؟½ï؟½ë£¬6ï؟½ï؟½"
  rect 1.7x1.7 hole 0.9: 1(0,0)
  round 1.7 hole 0.9: 2(2.54,0) 3(5.08,0) 4(7.62,0) 5(10.16,0) 6(12.7,0)
  silkscreen extent -1.27,-1.27 13.97,1.27, body extent -1.27,-1.27 13.97,1.27, height 8.5
HDR-7X2 [mm] "ث«ï؟½ï؟½ï؟½ï؟½ï؟½ë£¬7x2ï؟½ï؟½"
  rect 1.6x1.6 hole 0.9: 1(0,0)
  round 1.6 hole 0.9: 2(0,2.54) 3(2.54,0) 4(2.54,2.54) 5(5.08,0) 6(5.08,2.54) 7(7.62,0) 8(7.62,2.54) 9(10.16,0) 10(10.16,2.54) 11(12.7,0) 12(12.7,2.54) 13(15.24,0) 14(15.24,2.54)
  silkscreen extent -1.27,-1.27 16.51,3.81, body extent -1.27,-1.27 16.51,3.81, height 8.5
KF2EDGK-2P_H_5.08 [mm] "ï؟½ï؟½ا²ï؟½ï؟½ت½ï؟½ï؟½ï؟½ï؟½"
  round 2.5 hole 1.6: 1(0,0) 2(5,0)
  silkscreen extent -2.79,-1.52 7.75,11.05, body extent -2.54,-0.5 7.54,10.8, height 8.5
KF2EDGK-2P_H_7.62 [mm] "ï؟½ï؟½ا²ï؟½ï؟½ت½ï؟½ï؟½ï؟½ï؟½"
  rect 2.5x2.5 hole 1.6: 1(0,0)
  round 2.5 hole 1.6: 2(7.625,0)
  silkscreen extent -3.8,-1.52 11.58,11.7, body extent -3.78,-0.61 11.47,11.59, height 8.04
KF301-2P [mm] "ï؟½ï؟½ئ´ï؟½س¶ï؟½ï؟½ï؟½/6A"
  rect 2.5x2.5 hole 1.5: 1(0,0)
  round 2.5 hole 1.5: 2(5.08,0)
  silkscreen extent -3.05,-3.05 7.62,4.57, body extent -2.87,-3 7.63,4.6, height 10.05
KF301-3P [mm] "ï؟½ï؟½ئ´ï؟½س¶ï؟½ï؟½ï؟½/6A"
  rect 2.5x2.5 hole 1.5: 1(0,0)
  round 2.5 hole 1.5: 2(5,0) 3(10,0)
  silkscreen extent -3.05,-3.05 12.7,4.57, body extent -2.87,-3 12.63,4.6, height 10.05
"KFT DIP-8X8" [mm] "8*8mmï؟½ï؟½ï؟½ï؟½"
  rect 1.7x1.7 hole 0.9: 1(-2.698,2.133)
  round 1.7 hole 0.9: 2(-2.698,-0.04) 3(-2.698,-2.217) 4(2.199,-2.217) 5(2.199,-0.04) 6(2.199,2.133)
  silkscreen extent -4.06,-4.06 4.15,4.06, body extent -3.95,-4.05 4.05,3.95, height 13.1
"L 0603" [mil] "ذ،¹¦آتجùئ¬µç¸ذ"
  rect 35x35 smd: 1(-35,0) 2(34,0)
  silkscreen extent -63,-26 62,26, body extent -31,-16 31,16, height 31
LAN8720 [mm]
  rect 0.69x0.28 smd: 1(-1.845,1.301) 2(-1.845,0.801) 3(-1.845,0.301) 4(-1.845,-0.199) 5(-1.845,-0.699) 6(-1.845,-1.199) 13(1.895,-1.199) 14(1.895,-0.699) 15(1.895,-0.199) 17(1.895,0.801) 18(1.895,1.301)
  rect 0.28x0.69 smd: 7(-1.225,-1.819) 8(-0.725,-1.819) 9(-0.225,-1.819) 10(0.275,-1.819) 11(0.775,-1.819) 12(1.275,-1.819) 19(1.275,1.921) 20(0.775,1.921) 21(0.275,1.921) 22(-0.225,1.921) 23(-0.725,1.921) 24(-1.225,1.921)
  rect 0.69x0.25 smd: 16(1.895,0.301)
  rect 2.5x2.5 smd: 25(0.025,0.051)
  silkscreen extent -2.08,-1.95 2.03,2.13, body extent -1.97,-1.95 2.03,2.05, height 0.95
"LED 0805B" [mil] "ï؟½ï؟½ة«0805LED"
  rect 50x50 smd: 1(-45,0) 2(45,0)
  silkscreen extent -81,-36 92,36, body extent -39,-25 39,25, height 32
"LED 0805R" [mil] "ï؟½ï؟½ة«0805LED"
  rect 50x50 smd: 1(-45,0) 2(45,0)
  silkscreen extent -81,-36 92,36, body extent -39,-25 39,25, height 32
P2.8CH#1 [mil] "MOUNTING PAD 2.8 mm, round, 5.3 mm Diameter; with Holes around it"
  round 0 hole 25 mask-50: P(-80,0) P(-56.57,-56.57) P(-56.57,56.57) P(0,-80) P(0,80) P(56.57,-56.57) P(56.57,56.57) P(80,0)
  round 210 hole 110.24: P(0,0)
  silkscreen extent -114,-114 114,114
P2.8CH#2 [mil] "MOUNTING PAD 2.8 mm, round, 5.3 mm Diameter; with Holes around it"
  round 0 hole 25 mask-50: P(-80,0) P(-56.57,-56.57) P(-56.57,56.57) P(0,-80) P(0,80) P(56.57,-56.57) P(56.57,56.57) P(80,0)
  round 210 hole 98.43: P(0,0)
  silkscreen extent -114,-114 114,114
PC817-SMD [mm]
  rrect50% 2.13x1.57 smd: 1(-4.29,1.27) 2(-4.29,-1.27) 3(4.29,-1.27) 4(4.29,1.27)
  silkscreen extent -6.25,-2.54 3.5,2.54, body extent -4.87,-2.29 4.87,2.29, height 4
PTC [mm]
  round 2 hole 0.889: 1(-2.54,1.1) 2(2.54,-1.1)
  silkscreen extent -5.7,-1.5 5.7,1.5, body extent -5.71,-1.52 5.72,1.52, height 18.86
"R 0603" [mil] "1/10Wï؟½ï؟½ئ¬ï؟½ï؟½ï؟½ï؟½"
  rect 35x35 smd: 1(-35,0) 2(34,0)
  silkscreen extent -63,-26 62,26, body extent -31,-16 32,16, height 16
"R 0805" [mm] "1/8Wï؟½ï؟½ئ¬ï؟½ï؟½ï؟½ï؟½"
  rect 1.27x1.27 smd: 1(-1.143,0) 2(1.143,0)
  silkscreen extent -2.05,-0.91 2.05,0.91, body extent -1,-0.62 1,0.63, height 0.5
rj45-f [mm]
  rect 1.398x1.398 hole 0.89: 1(-4.445,5.3)
  round 1.398 hole 0.89: 2(-3.175,7.84) 3(-1.905,5.3) 4(-0.635,7.84) 5(0.635,5.3) 6(1.905,7.84) 7(3.175,5.3) 8(4.445,7.84)
  round 1.524 hole 0.5: 9(-6.223,-5.842) 10(-4.445,-5.842) 11(6.117,-5.842) 12(4.339,-5.842)
  round 0 hole 3: 15(-5.207,-1.27) 16(5.207,-1.27)
  round 2.37 hole 1.58: S1(-7.44,2) S2(7.44,2)
  silkscreen extent -7.5,-8.25 7.5,8.99, body extent -7.8,-9.28 7.75,9.28, height 9.49
SMA [mm] "4.5x2.6*2.2mm£¨³¤؟ي¸ك£¬²»°üہ¨ز‎½إ£©"
  rect 2.2x1.75 smd: 1(-2.3,0) 2(2.3,0)
  silkscreen extent -2.7,-1.52 3.56,1.52, body extent -2.53,-1.3 2.58,1.3, height 2.15
"Solder Bridge Open" [mil]
  rect 30x40 smd: 1(-40.15,-90.01) 2(23.85,-90.01)
  Top Layer region: -13.15,-70.01 7.42,-90.01 -13.15,-110.01 11.2,-110.01 11.2,-70.01
  Top Layer region: -25.15,-70.01 -4.85,-89.99 -25.15,-110.01
  silkscreen extent -62,-117 47,-62
SOP8-E3 [mm]
  rect 3.15x2.2 smd mask+0: 1-3(-0.635,-2.6)
  rect 0.6x2.2 smd: 4(1.905,-2.6)
  rect 4.4x2.2 smd mask+0: 5-8(0,2.6)
  silkscreen extent -2.67,-1.07 2.67,1.14, body extent -2.46,-3.07 2.54,2.93, height 1.9
SOP8_N [mm] "5*6*1.8mmï؟½ï؟½ï؟½ï؟½ï؟½ï؟½ك£ï؟½"
  rect 1.8x0.55 smd: 1(-2.625,1.905)
  oval 1.8x0.55 smd: 2(-2.625,0.635) 3(-2.625,-0.635) 4(-2.625,-1.905) 5(2.625,-1.905) 6(2.625,-0.635) 7(2.625,0.635) 8(2.625,1.905)
  silkscreen extent -2.69,-2.5 1.52,3.2, body extent -3,-2.5 3,2.5, height 1.9
SOP18W_M [mm] "11.5*10.3*2.6mm£¨³¤؟ي¸ك£©"
  rect 2.1x0.6 smd: 1(-5.025,5.08)
  oval 2.1x0.6 smd: 2(-5.025,3.81) 3(-5.025,2.54) 4(-5.025,1.27) 5(-5.025,0) 6(-5.025,-1.27) 7(-5.025,-2.54) 8(-5.025,-3.81) 9(-5.025,-5.08) 10(5.025,-5.08) 11(5.025,-3.81) 12(5.025,-2.54) 13(5.025,-1.27) 14(5.025,0) 15(5.025,1.27) 16(5.025,2.54) 17(5.025,3.81) 18(5.025,5.08)
  silkscreen extent -5.23,-5.64 3.56,6.5, body extent -5.15,-5.75 5.15,5.75, height 2.7
SOT23-3L [mm] "3x1.3x1mm(ï؟½ï؟½ï؟½ï؟½ï؟½)"
  rect 0.45x1 smd: 1(-0.95,-1.143) 2(0.95,-1.143) 3(0,1.125)
  silkscreen extent -1.5,-0.3 1.5,0.7, body extent -1.5,-1.2 1.5,1.2, height 1.05
SOT23-3N [mm] "3x1.3x1mm(ï؟½ï؟½ï؟½ï؟½ï؟½)"
  rect 0.5x1.2 smd: 1(-0.95,-1.143) 2(0.95,-1.143) 3(0,1.143)
  silkscreen extent -1.5,-0.2 1.5,0.7, body extent -1.5,-1.2 1.5,1.2, height 1.05
TO263-5A [mm] "263ï؟½ï؟½5ï؟½إ¾ï؟½ï؟½ï؟½ï؟½"
  rect 1.05x3.2 smd: 1(-3.4,0) 2(-1.7,0) 3(0,0) 4(1.7,0) 5(3.4,0)
  rect 10.45x10 smd: 3(0,10.414)
  silkscreen extent -6.24,-0.25 5.46,6.04, body extent -5,-0.01 5,13.32, height 4.5
TP15 [mm] "Round SMD Test Pin; 1.5 mm"
  round 1.5 smd: 1(0,0)
  silkscreen extent -0.95,-0.95 0.95,0.95
"TSW SMD-3*6*2.5" [mm] "3*6*2.5mm"
  rect 2x1.5 smd: 1(-3.996,-0.02) 2(3.937,0)
  silkscreen extent -3.21,-1.9 3.09,1.9, body extent -4,-1.88 4,1.62, height 2.59
"Varistor Short Hieght - Straight" [mm] "B57237"
  round 2.2 hole 1: 1(0.3,1.1) 2(7.7,-1.1)
  silkscreen extent -2.1,-1.9 10,2, body extent -2,-1.9 10,1.9, height 13
VSSOP10-N [mm] "1.1 mm max height"
  rrect25% 1.47x0.28 smd: 1(-2.15,1) 2(-2.15,0.5) 3(-2.15,0) 4(-2.15,-0.5) 5(-2.15,-1) 6(2.15,-1) 7(2.15,-0.5) 8(2.15,0) 9(2.15,0.5) 10(2.15,1)
  silkscreen extent -2.46,-1.5 1.14,1.86, body extent -2.45,-1.5 2.45,1.5, height 1.1
XTAL-5070-4 [mm]
  round 0.5 on Top Overlay: 1(-1.9,-5.3)
  rect 2.2x2.2 smd: 1(0,-4.2) 2(5.4,-4.2) 3(5.41,0) 4(0,0)
  silkscreen extent -1.3,-5.5 6.7,1.3, body extent -0.8,-4.6 6.2,0.4, height 1.51

## Part data
C1 C2 C3 C4 C5 C6 C7 C8 C9 C10 C11 C12 C13 C14 C15 C16 C17 C18 C19 C20 C21: library part C, "Non-polar patch capacitor", BOM名称=无极性贴片电容, 学习资源=www.ooocke.com, 版权归属=源创客
D1 D2 D3 D4 D5 D6 D7 D8: library part M7, "Rectifier diode", BOM名称=整流二极管, 学习资源=www.ooocke.com, 版权归属=源创客
E1 E2: library part C-CM, "Chip electrolytic capacitor", BOM名称=贴片电解电容, 学习资源=www.ooocke.com, 版权归属=源创客
E3 E4: library part C-CAP, "Inline electrolytic capacitor", BOM名称=直插电解电容, 学习资源=www.ooocke.com, 版权归属=源创客
FB1 FB2 FB3 FB4: library part FB, "Ferrite Bead", BOM名称=贴片电阻, 学习资源=www.ooocke.com, 版权归属=源创客
FL1: "LC EMI Filter 5th Order Low Pass 2 Channel 10A Block, 4 Lead", Package="Block-4 Murata", Availability=Unavailable, MF=Murata, MP=BNX002-01, Price=None, SnapEDA_Link=https://www.snapeda.com/parts/BNX002-01/Murata%20Electronics%20North%20America/view-part/12269/?ref=snap
H1 H2 H3 H4: library part MOUNT-PAD-ROUND-HOLES, "MOUNTING PAD, round with holes around"
JP1 JP2 JP19 JP22 JP23 JP24 JP25 JP26 JP27 JP28 JP29: library part "Header 2", "2P Connector", BOM名称=2P接插件, 学习资源=www.ooocke.com, 版权归属=源创客
JP3 JP4 JP5 JP6 JP7 JP8 JP9 JP10 JP11 JP12 JP13 JP14 JP15 JP16 JP17 JP18: library part "Header 3", "3P Connector", BOM名称=3P接插件, 学习资源=www.ooocke.com, 版权归属=源创客
JP20: library part "Header 6", "6P Connector", BOM名称=6P接插件, 学习资源=www.ooocke.com, 版权归属=源创客
JP21: library part "Header 7X2", "7*2P Connector", BOM名称=7*2P接插件, 学习资源=www.ooocke.com, 版权归属=源创客
L1: library part L-CDRH, "Power shielded inductor", BOM名称=功率屏蔽电感, 学习资源=www.ooocke.com, 版权归属=源创客
L2: library part L, "Low power chip inductor", BOM名称=小功率贴片电感, 学习资源=www.ooocke.com, 版权归属=源创客
LED1 LED2 LED3 LED4 LED5 LED6 LED7 LED8 LED9 LED10 LED11 LED12 LED13 LEDR1 LEDR2 LEDR3 LEDR4 LEDR5 LEDR6 LEDR7 LEDR8: "Patch LED", BOM名称=贴片LED, 学习资源=www.ooocke.com, 版权归属=源创客
OC1 OC2 OC3 OC4 OC5 OC6 OC7 OC8 OC9 OC10 OC11 OC12 OC13 OC14 OC15 OC16: "AC Input Photocoupler", BOM名称=线性光耦, 学习资源=www.ooocke.com, 版权归属=源创客
Q2 Q3 Q4 Q5 Q6 Q7 Q8 Q9: library part 2N7002-SMD, "N-Channel Enhancement Mode Field Effect Transistor"
Q10: library part 8550-SMD, "High Frequency Amplifier-PNP", BOM名称=高频放大-PNP型, 学习资源=www.ooocke.com, 属性="40V 1.5A 1W 100MHZ", 版权归属=源创客
R1 R2 R3 R4 R5 R6 R7 R8 R9 R10 R11 R12 R13 R14 R15 R16 R17 R18 R19 R20 R21 R22 R23 R24 R25 R26 R27 R28 R29 R30 R31 R32 R33 R34 R35 R36 R37 R38 R39 R40 R41 R42 R43 R44 R45 R46 R47 R48 R49 R50 R51 R52 R53 R54 R55 R56 R57 R58 R59 R60 R61 R62 R63 R64 R65 R66 R67 R68 R69 R70 R71 R72 R73 R74 R75 R76 R77 R78 R79 R80 R81 R82 R83 R84 R85 R86 R87 R88 R89 R90 R91 R92 R93 R94 R95 R96 R97 R98 R99 R100 R101 R102 R103 R104 R105 R106 R107 R108 R109 R110 R111 R112 R113 R114 R115 R116 R117 R118 R119 R120 R121 R122 R123 R124 R125 R126 R127 R128 R129 R130 R131 R132 R133 R134 R135 R136 R137 R138 R139 R140 R141 R142 R143 R144 R145 R146 R147 R148 R149 R150 R151 R152 R153 R154 R155 R156 R157 R158 R159 R160 R161 R162 R? R? R?: library part R, "Chip resistor", BOM名称="Chip resistor", 学习资源=www.ooocke.com, 版权归属=源创客
RP1: library part RP-THD, "Plug-in potentiometer", BOM名称=插件电位器, 学习资源=www.ooocke.com, 版权归属=源创客
RU1: library part V, "Versiror"
SW1: "4-way code switch", BOM名称=4路编码开关, 学习资源=www.ooocke.com, 版权归属=源创客
SW2: "8*8 switch", BOM名称=8*8开关, 学习资源=www.ooocke.com, 版权归属=源创客
SW3 SW4: library part "TSW 3x6", "3x6 tact switch", BOM名称=3x6轻触开关, 学习资源=www.ooocke.com, 版权归属=源创客
U1 U3 U4: "8 Bit I/O Expander"
U2: library part LM2596, "DC step-down chip", BOM名称=DC稳压芯片, 学习资源=www.ooocke.com, 版权归属=源创客
U5: "RS485/RS422 Transceivers", BOM名称=MAX232, 学习资源=www.ooocke.com, 版权归属=源创客
U6: Package="Module Espressif Systems", Availability=Unavailable, MF="Espressif Systems", MP=ESP32-WROOM-32D, Price=None, SnapEDA_Link=https://www.snapeda.com/parts/ESP32-WROOM-32D/Espressif%20Systems/view-part/?ref=snap
U8 U9 U10 U11: "Dual op amp", BOM名称=双路运放, 学习资源=www.ooocke.com, 版权归属=源创客
U12: "ADS111x Ultra-Small, Low-Power, I / 2C-Compatible, 860-SPS, 16-Bit ADCs / With Internal Reference, Oscillator, and Programmable Comparator", BOM名称=数字电位器, 学习资源=www.ooocke.com, 版权归属=源创客
VD1: "Schottky diodes", BOM名称=肖特基二极管, 学习资源=www.ooocke.com, 属性=40V/3A, 版权归属=源创客
X1: library part XTAL-4, "4-Pin crystal", BOM名称=4脚晶振, 学习资源=www.ooocke.com, 版权归属=源创客
Z1: "12V/0.5W voltage regulator", BOM名称=12V/0.5W稳压管, 学习资源=www.ooocke.com, 版权归属=源创客
TP1 TP2 TP3 TP4 TP5: Category=MISC, Company="SJ Libraries", ComponentLink1Description=Datasheet, Designer="Eng. Saeid Jorablo", HelpURL=http://s3.picofile.com/file/7443264187/Coming_Soon_logo.gif, Mounting Technology="Surface Mount\Through-Hole", Pin Count=0, Rule="Component Clearance Constraint [Horizontal Clearance = 0mil    Vertical Clearance = 0mil]", Update Date=6/3/2012

## Free pads (board coordinates)
  round 3 hole 4: 3(232.842,-0.889) 4(254.305,-0.889)

## Via types
v1: diameter 1.27, hole 0.711, Top Layer to Bottom Layer, tented both sides, 304 vias
v2: diameter 0.9, hole 0.5, Top Layer to Bottom Layer, tented both sides, 127 vias